# Altium PCB Evaluation Board.PcbDoc (part 17 of 22) (continued)
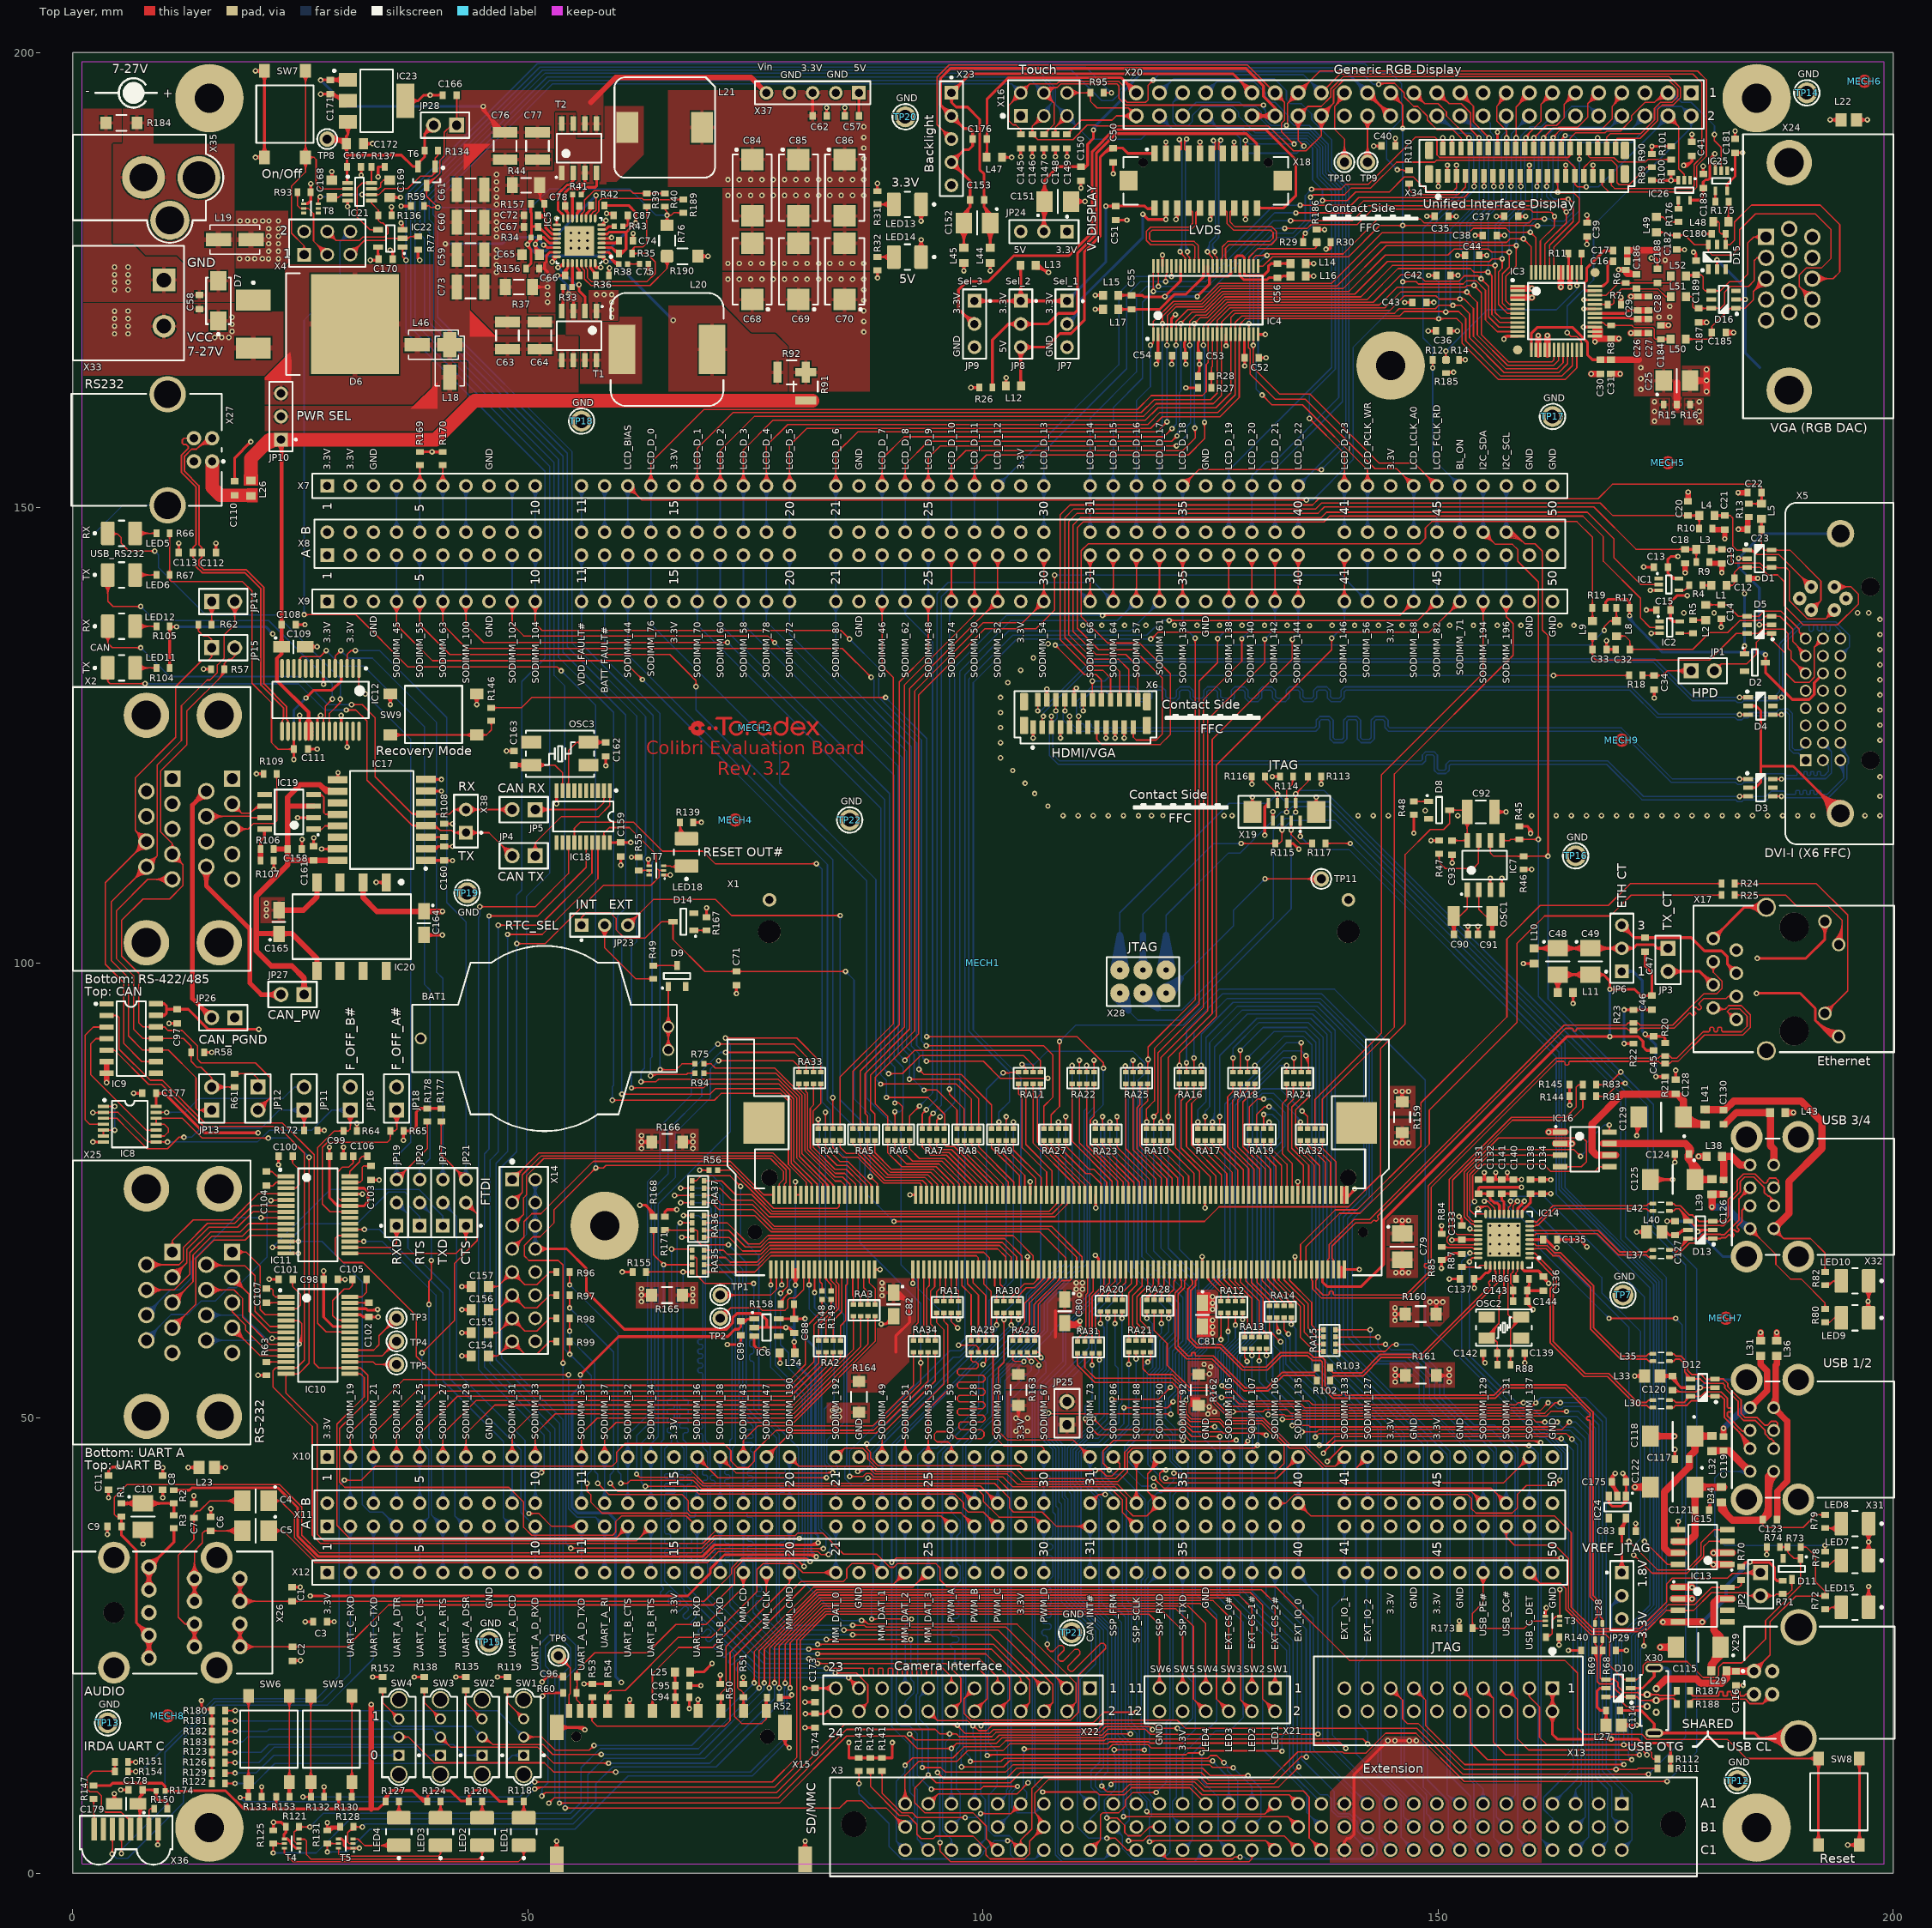
[diagram p0: Top Layer view]
## Nets (pads, with @x,y where several pads share a name; then routed paths per layer and width w, separated by ;. In a path a pad name is that pad's centre, name@x,y a point inside that pad or via, vN(x,y) a via of type N, cw(c..) or ccw(c..) an arc to the next point about the centre after c; other vN are vias at no path point) (continued)
SODIMM_100: RA11.7 X8.A7 X9.7 | length 131.8
  Top Layer w0.15: X9.7@42.703,139.223 cw(c41.55,138.07) 43.18,138.07 cw(c44.81,138.07) X9.7@43.657,139.223 ; X9.7@42.809,139.329 cw(c41.913,138.433) 43.18,138.433 cw(c44.447,138.433) X9.7@43.551,139.329 ; X9.7@42.915,139.435 cw(c42.275,138.795) 43.18,138.795 cw(c44.085,138.795) X9.7@43.445,139.435 ; X9.7@43.18,139.7 43.18,137.145 45.125,135.2 v1(71.925,135.2) ; v1@71.766,135.041 ccw(c71.382,134.657) 71.382,135.2 ccw(c71.382,135.743) v1@71.766,135.359 ; v1(89.625,87.825) 91.125,87.825 93.1,89.8 104.45,89.8 105.486,88.764 RA11.7@105.486,87.99 ; v1@89.784,87.666 cw(c90.168,87.282) 90.168,87.825 cw(c90.168,88.368) v1@89.784,87.984 ; RA11.7@105.362,88.114 ccw(c105.064,88.413) 105.486,88.413 ccw(c105.908,88.413) RA11.7@105.61,88.114
  Bottom Layer w0.15: X9.7@42.703,140.177 ccw(c41.55,141.33) 43.18,141.33 ccw(c44.81,141.33) X9.7@43.657,140.177 ; X8.A7@42.703,144.303 cw(c41.55,143.15) 43.18,143.15 cw(c44.81,143.15) X8.A7@43.657,144.303 ; X9.7@42.809,140.071 ccw(c41.913,140.967) 43.18,140.967 ccw(c44.447,140.967) X9.7@43.551,140.071 ; X8.A7@42.809,144.409 cw(c41.913,143.513) 43.18,143.513 cw(c44.447,143.513) X8.A7@43.551,144.409 ; X9.7@42.915,139.965 ccw(c42.275,140.605) 43.18,140.605 ccw(c44.085,140.605) X9.7@43.445,139.965 ; X8.A7@42.915,144.515 cw(c42.275,143.875) 43.18,143.875 cw(c44.085,143.875) X8.A7@43.445,144.515 ; X9.7@43.18,139.7 X8.A7@43.18,144.78 ; v1@71.925,134.975 cw(c71.925,134.432) 72.309,134.816 cw(c72.693,135.2) v1@72.15,135.2 ; v1(71.925,135.2) 89.2,117.925 89.2,88.25 v1(89.625,87.825) ; v1@89.4,87.825 ccw(c88.857,87.825) 89.241,88.209 ccw(c89.625,88.593) v1@89.625,88.05
SODIMM_100_S: RA11.3 X1.100 | length 15.1
  Top Layer w0.15: RA11.3@105.362,86.566 cw(c105.064,86.268) 105.486,86.268 cw(c105.908,86.268) RA11.3@105.61,86.566 ; RA11.3@105.486,86.69 105.486,80.213 109.982,75.717 X1.100@109.982,74.516 ; X1.100@109.911,75.412 ccw(c109.741,75.583) 109.982,75.583 ccw(c110.223,75.583) X1.100@110.053,75.412
SODIMM_101_S: RA37.1 X1.101 | length 45.8
  Top Layer w0.15: RA37.1@69.342,73.66 70.225,73.66 70.984,72.901 74.749,72.901 76.881,70.769 107.181,70.769 110.282,67.668 X1.101@110.282,66.316 ; RA37.1@69.466,73.536 cw(c69.764,73.238) 69.764,73.66 cw(c69.764,74.082) RA37.1@69.466,73.784 ; X1.101@110.211,67.212 ccw(c110.041,67.383) 110.282,67.383 ccw(c110.523,67.383) X1.101@110.353,67.212
SODIMM_102: RA11.8 X8.A9 X9.9 | length 128.1
  Top Layer w0.15: X9.9@47.783,139.223 cw(c46.63,138.07) 48.26,138.07 cw(c49.89,138.07) X9.9@48.737,139.223 ; X9.9@47.889,139.329 cw(c46.993,138.433) 48.26,138.433 cw(c49.527,138.433) X9.9@48.631,139.329 ; X9.9@47.995,139.435 cw(c47.355,138.795) 48.26,138.795 cw(c49.165,138.795) X9.9@48.525,139.435 ; X9.9@48.26,139.7 48.26,137.19 49.525,135.925 76.35,135.925 v1(77.1,135.175) ; v1@76.875,135.175 ccw(c76.332,135.175) 76.716,135.559 ccw(c77.1,135.943) v1@77.1,135.4 ; v1(91.4,89.3) 92.475,90.375 105.217,90.375 106.286,89.306 RA11.8@106.286,87.99 ; v1@91.4,89.525 ccw(c91.4,90.068) 91.784,89.684 ccw(c92.168,89.3) v1@91.625,89.3 ; RA11.8@106.162,88.114 ccw(c105.864,88.413) 106.286,88.413 ccw(c106.708,88.413) RA11.8@106.41,88.114
  Bottom Layer w0.15: X9.9@47.783,140.177 ccw(c46.63,141.33) 48.26,141.33 ccw(c49.89,141.33) X9.9@48.737,140.177 ; X8.A9@47.783,144.303 cw(c46.63,143.15) 48.26,143.15 cw(c49.89,143.15) X8.A9@48.737,144.303 ; X9.9@47.889,140.071 ccw(c46.993,140.967) 48.26,140.967 ccw(c49.527,140.967) X9.9@48.631,140.071 ; X8.A9@47.889,144.409 cw(c46.993,143.513) 48.26,143.513 cw(c49.527,143.513) X8.A9@48.631,144.409 ; X9.9@47.995,139.965 ccw(c47.355,140.605) 48.26,140.605 ccw(c49.165,140.605) X9.9@48.525,139.965 ; X8.A9@47.995,144.515 cw(c47.355,143.875) 48.26,143.875 cw(c49.165,143.875) X8.A9@48.525,144.515 ; X9.9@48.26,139.7 X8.A9@48.26,144.78 ; v1@77.1,134.95 cw(c77.1,134.411) 77.481,134.792 ; v1(77.1,135.175) 77.1,135.173 90.675,121.598 90.675,90.025 v1(91.4,89.3) ; v1@77.325,135.175 ccw(c77.872,135.175) 77.485,134.788 ; v1@91.175,89.3 ccw(c90.632,89.3) 91.016,89.684 ccw(c91.4,90.068) v1@91.4,89.525
SODIMM_102_S: RA11.4 X1.102 | length 15.3
  Top Layer w0.15: RA11.4@106.162,86.566 cw(c105.864,86.268) 106.286,86.268 cw(c106.708,86.268) RA11.4@106.41,86.566 ; RA11.4@106.286,86.69 106.286,85.534 105.969,85.217 105.969,80.315 110.582,75.702 X1.102@110.582,74.516 ; X1.102@110.511,75.412 ccw(c110.341,75.583) 110.582,75.583 ccw(c110.823,75.583) X1.102@110.653,75.412
SODIMM_103_S: RA37.2 X1.103 | length 46.8
  Top Layer w0.15: RA37.2@69.342,74.46 70.275,74.46 71.26,73.475 74.625,73.475 77.031,71.069 107.531,71.069 110.882,67.718 X1.103@110.882,66.316 ; RA37.2@69.466,74.336 cw(c69.764,74.038) 69.764,74.46 cw(c69.764,74.882) RA37.2@69.466,74.584 ; X1.103@110.811,67.212 ccw(c110.641,67.383) 110.882,67.383 ccw(c111.123,67.383) X1.103@110.953,67.212
SODIMM_104: RA27.5 X8.A10 X9.10 | length 135.7
  Top Layer w0.15: X9.10@50.323,139.223 cw(c49.17,138.07) 50.8,138.07 cw(c52.43,138.07) X9.10@51.277,139.223 ; X9.10@50.429,139.329 cw(c49.533,138.433) 50.8,138.433 cw(c52.067,138.433) X9.10@51.171,139.329 ; X9.10@50.535,139.435 cw(c49.895,138.795) 50.8,138.795 cw(c51.705,138.795) X9.10@51.065,139.435 ; X9.10@50.8,139.7 50.8,137.25 51.525,136.525 84.375,136.525 v1(85.325,135.575) ; v1@85.1,135.575 ccw(c84.557,135.575) 84.941,135.959 ccw(c85.325,136.343) v1@85.325,135.8 ; v1(93.75,90.9) 106.65,90.9 107.65,89.9 107.65,85.225 106.68,84.255 RA27.5@106.68,81.793 ; v1@93.909,90.741 cw(c94.293,90.357) 94.293,90.9 cw(c94.293,91.443) v1@93.909,91.059 ; RA27.5@106.556,81.916 ccw(c106.258,82.215) 106.68,82.215 ccw(c107.102,82.215) RA27.5@106.804,81.916
  Bottom Layer w0.15: X9.10@50.323,140.177 ccw(c49.17,141.33) 50.8,141.33 ccw(c52.43,141.33) X9.10@51.277,140.177 ; X8.A10@50.323,144.303 cw(c49.17,143.15) 50.8,143.15 cw(c52.43,143.15) X8.A10@51.277,144.303 ; X9.10@50.429,140.071 ccw(c49.533,140.967) 50.8,140.967 ccw(c52.067,140.967) X9.10@51.171,140.071 ; X8.A10@50.429,144.409 cw(c49.533,143.513) 50.8,143.513 cw(c52.067,143.513) X8.A10@51.171,144.409 ; X9.10@50.535,139.965 ccw(c49.895,140.605) 50.8,140.605 ccw(c51.705,140.605) X9.10@51.065,139.965 ; X8.A10@50.535,144.515 cw(c49.895,143.875) 50.8,143.875 cw(c51.705,143.875) X8.A10@51.065,144.515 ; X9.10@50.8,139.7 X8.A10@50.8,144.78 ; v1@85.325,135.35 cw(c85.325,134.807) 85.709,135.191 cw(c86.093,135.575) v1@85.55,135.575 ; v1(85.325,135.575) 88.55,132.35 88.55,129.158 93.225,124.483 93.225,91.425 v1(93.75,90.9) ; v1@93.525,90.9 ccw(c92.982,90.9) 93.366,91.284 ccw(c93.75,91.668) v1@93.75,91.125
SODIMM_104_S: RA27.1 X1.104 | length 8.8
  Top Layer w0.15: RA27.1@106.566,80.36 cw(c106.353,80.112) 106.68,80.112 ; RA27.1@106.68,80.493 106.68,80.112 ; RA27.1@106.794,80.36 ccw(c107.007,80.112) 106.68,80.112 ; X1.104@111.111,75.412 ccw(c110.941,75.583) 111.182,75.583 ccw(c111.423,75.583) X1.104@111.253,75.412 ; X1.104@111.182,74.516 111.182,75.61 106.68,80.112
SODIMM_105: RA31.8 X10.37 X11.B37 | length 51
  Top Layer w0.15: RA31.8@110.202,56.996 cw(c109.846,56.64) 110.35,56.64 ; 110.35,56.755 cw(c110.691,56.755) RA31.8@110.45,56.996 ; RA31.8@110.376,57.12 110.35,57.094 110.35,55.83 112.289,53.89 120.791,53.89 121.099,53.583 121.099,53.578 121.425,53.252 121.425,50.501 122.876,49.05 v1(125.45,49.05) ; v1@125.291,48.891 ccw(c124.907,48.507) 124.907,49.05 ccw(c124.907,49.593) v1@125.291,49.209
  Bottom Layer w0.15: v1@125.45,48.825 cw(c125.45,47.782) 126.188,48.519 ; v1@125.45,48.975 cw(c125.45,48.294) 125.932,48.776 ; v1(125.45,49.05) 125.45,49.148 125.482,49.18 125.527,49.18 127,47.707 X10.37@127,45.72 X11.B37@127,40.64 ; X11.B37@126.523,41.117 ccw(c125.37,42.27) 127,42.27 ccw(c128.63,42.27) X11.B37@127.477,41.117 ; X10.37@126.523,45.243 cw(c125.37,44.09) 127,44.09 cw(c128.63,44.09) X10.37@127.477,45.243 ; X10.37@126.523,46.197 ccw(c125.37,47.35) 127,47.35 ccw(c128.63,47.35) X10.37@127.477,46.197 ; X11.B37@126.629,41.011 ccw(c125.733,41.907) 127,41.907 ccw(c128.267,41.907) X11.B37@127.371,41.011 ; X10.37@126.629,45.349 cw(c125.733,44.453) 127,44.453 cw(c128.267,44.453) X10.37@127.371,45.349 ; X10.37@126.629,46.091 ccw(c125.733,46.987) 127,46.987 ccw(c128.267,46.987) X10.37@127.371,46.091 ; X11.B37@126.735,40.905 ccw(c126.095,41.545) 127,41.545 ccw(c127.905,41.545) X11.B37@127.265,40.905 ; X10.37@126.735,45.455 cw(c126.095,44.815) 127,44.815 cw(c127.905,44.815) X10.37@127.265,45.455 ; X10.37@126.735,45.985 ccw(c126.095,46.625) 127,46.625 ccw(c127.905,46.625) X10.37@127.265,45.985
SODIMM_105_S: RA31.4 X1.105 | length 9.2
  Top Layer w0.15: RA31.4@110.277,58.565 ccw(c110.151,58.751) 110.376,58.751 ; RA31.4@110.376,58.42 110.376,58.751 ; RA31.4@110.475,58.565 cw(c110.602,58.751) 110.376,58.751 ; X1.105@111.411,65.421 cw(c111.241,65.25) 111.482,65.25 cw(c111.723,65.25) X1.105@111.553,65.421 ; X1.105@111.482,66.316 111.482,63.724 111.283,63.525 111.283,59.658 110.376,58.751
SODIMM_106: RA27.6 X10.39 X11.B39 | length 166.4
  Top Layer w0.15: RA27.6@107.356,81.916 ccw(c107.058,82.215) 107.48,82.215 ccw(c107.902,82.215) RA27.6@107.604,81.916 ; RA27.6@107.48,81.793 107.48,83.305 108.4,84.225 v1(108.4,91.375) ; v1@108.241,91.216 cw(c107.857,90.832) 108.4,90.832 cw(c108.943,90.832) v1@108.559,91.216 ; X11.B39@132.08,40.64 133.241,40.64 ; X11.B39@132.536,40.38 cw(c132.983,40.126) 132.983,40.64 cw(c132.983,41.154) X11.B39@132.536,40.9 ; X11.B39@132.667,40.306 cw(c133.241,39.979) 133.241,40.64 ; X11.B39@132.667,40.974 ccw(c133.241,41.301) 133.241,40.64 ; v1@163.15,43.175 cw(c162.607,43.175) 162.991,42.791 cw(c163.375,42.407) v1@163.375,42.95 ; v1(163.375,43.175) 162.8,42.6 159.7,42.6 158.725,41.625 158.725,40.15 158.125,39.55 154.15,39.55 153.65,40.05 153.65,41.168 153.203,41.615 134.216,41.615 133.241,40.64
  Bottom Layer w0.15: v1(108.4,91.375) 110.197,93.172 121.997,93.172 125.925,97.1 138.612,97.1 148.575,87.137 148.575,60.425 161.125,47.875 161.784,47.875 163.535,46.124 163.535,43.876 163.362,43.703 ; v1@108.4,91.6 ccw(c108.4,92.143) 108.784,91.759 ccw(c109.168,91.375) v1@108.625,91.375 ; X11.B39@131.603,41.117 ccw(c130.45,42.27) 132.08,42.27 ccw(c133.71,42.27) X11.B39@132.557,41.117 ; X10.39@131.603,45.243 cw(c130.45,44.09) 132.08,44.09 cw(c133.71,44.09) X10.39@132.557,45.243 ; X11.B39@131.709,41.011 ccw(c130.813,41.907) 132.08,41.907 ccw(c133.347,41.907) X11.B39@132.451,41.011 ; X10.39@131.709,45.349 cw(c130.813,44.453) 132.08,44.453 cw(c133.347,44.453) X10.39@132.451,45.349 ; X11.B39@131.815,40.905 ccw(c131.175,41.545) 132.08,41.545 ccw(c132.985,41.545) X11.B39@132.345,40.905 ; X10.39@131.815,45.455 cw(c131.175,44.815) 132.08,44.815 cw(c132.985,44.815) X10.39@132.345,45.455 ; X11.B39@132.08,40.64 X10.39@132.08,45.72 ; v1@163.216,43.334 ccw(c162.862,43.688) 163.362,43.688 ; v1(163.375,43.175) 163.362,43.188 163.362,43.703 ; v1@163.524,43.343 cw(c163.843,43.703) 163.362,43.703
SODIMM_106_S: RA27.2 X1.106 | length 8.8
  Top Layer w0.15: RA27.2@107.356,80.369 cw(c107.058,80.07) 107.48,80.07 cw(c107.902,80.07) RA27.2@107.604,80.369 ; RA27.2@107.48,80.493 107.48,79.947 111.782,75.645 X1.106@111.782,74.516 ; X1.106@111.711,75.412 ccw(c111.541,75.583) 111.782,75.583 ccw(c112.023,75.583) X1.106@111.853,75.412
SODIMM_107: RA31.7 X10.38 X11.B38 | length 47.5
  Top Layer w0.15: RA31.7@111.052,56.996 cw(c110.754,56.697) 111.176,56.697 cw(c111.598,56.697) RA31.7@111.3,56.996 ; RA31.7@111.176,57.12 111.176,55.524 112.325,54.375 120.8,54.375 121.725,53.45 121.725,50.626 122.751,49.6 125.894,49.6 126.625,48.87 v1(129.718,48.87) ; v1@129.559,48.711 ccw(c129.175,48.326) 129.175,48.87 ccw(c129.175,49.413) v1@129.559,49.029
  Bottom Layer w0.15: X11.B38@129.063,41.117 ccw(c127.91,42.27) 129.54,42.27 ccw(c131.17,42.27) X11.B38@130.017,41.117 ; X10.38@129.063,45.243 cw(c127.91,44.09) 129.54,44.09 cw(c131.17,44.09) X10.38@130.017,45.243 ; X11.B38@129.169,41.011 ccw(c128.273,41.907) 129.54,41.907 ccw(c130.807,41.907) X11.B38@129.911,41.011 ; X10.38@129.169,45.349 cw(c128.273,44.453) 129.54,44.453 cw(c130.807,44.453) X10.38@129.911,45.349 ; X11.B38@129.275,40.905 ccw(c128.635,41.545) 129.54,41.545 ccw(c130.445,41.545) X11.B38@129.805,40.905 ; X10.38@129.275,45.455 cw(c128.635,44.815) 129.54,44.815 cw(c130.445,44.815) X10.38@129.805,45.455 ; X11.B38@129.54,40.64 X10.38@129.54,45.72 129.608,45.788 129.608,48.76 v1(129.718,48.87) ; 129.608,48.061 cw(c130.527,48.061) v1@129.877,48.711 ; 129.608,48.423 cw(c130.164,48.423) v1@129.771,48.817
SODIMM_107_S: RA31.3 X1.107 | length 9.3
  Top Layer w0.15: RA31.3@111.052,58.544 ccw(c110.754,58.842) 111.176,58.842 ccw(c111.598,58.842) RA31.3@111.3,58.544 ; RA31.3@111.176,58.42 111.176,58.901 111.675,59.4 111.675,63.493 112.082,63.9 X1.107@112.082,66.316 ; X1.107@112.011,65.421 cw(c111.841,65.25) 112.082,65.25 cw(c112.323,65.25) X1.107@112.153,65.421
SODIMM_110_S: RA27.3 X1.110 | length 9.3
  Top Layer w0.15: RA27.3@108.156,80.369 cw(c107.858,80.07) 108.28,80.07 cw(c108.702,80.07) RA27.3@108.404,80.369 ; RA27.3@108.28,80.493 108.28,79.858 111.288,76.85 111.847,76.85 112.982,75.715 X1.110@112.982,74.516 ; X1.110@112.911,75.412 ccw(c112.741,75.583) 112.982,75.583 ccw(c113.223,75.583) X1.110@113.053,75.412
SODIMM_111_S: RA31.2 X1.111 | length 9.5
  Top Layer w0.15: RA31.2@111.852,58.544 ccw(c111.554,58.842) 111.976,58.842 ccw(c112.398,58.842) RA31.2@112.1,58.544 ; RA31.2@111.976,58.42 111.976,63.37 113.282,64.676 X1.111@113.282,66.316 ; X1.111@113.211,65.421 cw(c113.041,65.25) 113.282,65.25 cw(c113.523,65.25) X1.111@113.353,65.421
SODIMM_112_S: RA27.4 X1.112 | length 9.2
  Top Layer w0.15: RA27.4@108.956,80.369 cw(c108.658,80.07) 109.08,80.07 cw(c109.502,80.07) RA27.4@109.204,80.369 ; RA27.4@109.08,80.493 109.08,79.896 111.658,77.318 112.166,77.318 113.582,75.902 X1.112@113.582,74.516 ; X1.112@113.511,75.412 ccw(c113.341,75.583) 113.582,75.583 ccw(c113.823,75.583) X1.112@113.653,75.412
SODIMM_113_S: RA31.1 X1.113 | length 9.8
  Top Layer w0.15: RA31.1@112.652,58.544 ccw(c112.354,58.842) 112.776,58.842 ccw(c113.198,58.842) RA31.1@112.9,58.544 ; RA31.1@112.776,58.42 112.776,59.512 112.319,59.969 112.319,63.288 113.882,64.852 X1.113@113.882,66.316 ; X1.113@113.811,65.421 cw(c113.641,65.25) 113.882,65.25 cw(c114.123,65.25) X1.113@113.953,65.421
SODIMM_114_S: RA22.1 X1.114 | length 15
  Top Layer w0.15: RA22.1@109.655,86.566 cw(c109.356,86.268) 109.779,86.268 cw(c110.201,86.268) RA22.1@109.903,86.566 ; RA22.1@109.779,86.69 109.779,80.416 114.182,76.013 X1.114@114.182,74.516 ; X1.114@114.111,75.412 ccw(c113.941,75.583) 114.182,75.583 ccw(c114.423,75.583) X1.114@114.253,75.412
SODIMM_115_S: RA20.4 X1.115 | length 5
  Top Layer w0.15: RA20.4@112.768,63.116 ccw(c112.476,63.411) 112.891,63.411 ; RA20.4@112.891,62.992 112.891,63.411 ; RA20.4@113.014,63.116 cw(c113.306,63.411) 112.891,63.411 ; X1.115@114.411,65.421 cw(c114.241,65.25) 114.482,65.25 cw(c114.723,65.25) X1.115@114.553,65.421 ; X1.115@114.482,66.316 114.482,65.003 112.891,63.411
SODIMM_116_S: RA22.2 X1.116 | length 15
  Top Layer w0.15: RA22.2@110.455,86.566 cw(c110.156,86.268) 110.579,86.268 cw(c111.001,86.268) RA22.2@110.703,86.566 ; RA22.2@110.579,86.69 110.579,80.226 114.782,76.023 X1.116@114.782,74.516 ; X1.116@114.711,75.412 ccw(c114.541,75.583) 114.782,75.583 ccw(c115.023,75.583) X1.116@114.853,75.412
SODIMM_117_S: RA20.3 X1.117 | length 4.9
  Top Layer w0.15: RA20.3@113.567,63.116 ccw(c113.268,63.414) 113.691,63.414 ccw(c114.113,63.414) RA20.3@113.814,63.116 ; RA20.3@113.691,62.992 113.691,63.602 115.082,64.993 X1.117@115.082,66.316 ; X1.117@115.011,65.421 cw(c114.841,65.25) 115.082,65.25 cw(c115.323,65.25) X1.117@115.153,65.421
SODIMM_118_S: RA22.3 X1.118 | length 14.9
  Top Layer w0.15: RA22.3@111.255,86.566 cw(c110.956,86.268) 111.379,86.268 cw(c111.801,86.268) RA22.3@111.503,86.566 ; RA22.3@111.379,86.69 111.379,79.971 115.382,75.968 X1.118@115.382,74.516 ; X1.118@115.311,75.412 ccw(c115.141,75.583) 115.382,75.583 ccw(c115.623,75.583) X1.118@115.453,75.412
SODIMM_119_S: RA20.2 X1.119 | length 4.9
  Top Layer w0.15: RA20.2@114.367,63.116 ccw(c114.068,63.414) 114.491,63.414 ccw(c114.913,63.414) RA20.2@114.614,63.116 ; RA20.2@114.491,62.992 114.491,63.716 115.682,64.907 X1.119@115.682,66.316 ; X1.119@115.611,65.421 cw(c115.441,65.25) 115.682,65.25 cw(c115.923,65.25) X1.119@115.753,65.421
SODIMM_120_S: RA22.4 X1.120 | length 15.1
  Top Layer w0.15: RA22.4@112.055,86.566 cw(c111.756,86.268) 112.179,86.268 cw(c112.601,86.268) RA22.4@112.303,86.566 ; RA22.4@112.179,86.69 112.179,83.127 111.794,82.742 111.794,80.06 115.982,75.872 X1.120@115.982,74.516 ; X1.120@115.911,75.412 ccw(c115.741,75.583) 115.982,75.583 ccw(c116.223,75.583) X1.120@116.053,75.412
SODIMM_121_S: RA20.1 X1.121 | length 4.8
  Top Layer w0.15: RA20.1@115.167,63.116 ccw(c114.868,63.414) 115.291,63.414 ccw(c115.713,63.414) RA20.1@115.414,63.116 ; RA20.1@115.291,62.992 115.291,63.779 116.282,64.771 X1.121@116.282,66.316 ; X1.121@116.211,65.421 cw(c116.041,65.25) 116.282,65.25 cw(c116.523,65.25) X1.121@116.353,65.421
SODIMM_122_S: RA23.1 X1.122 | length 8.6
  Top Layer w0.15: RA23.1@112.21,80.355 cw(c112.033,80.131) 112.319,80.131 ; RA23.1@112.319,80.493 112.319,80.131 ; RA23.1@112.427,80.355 ccw(c112.604,80.131) 112.319,80.131 ; X1.122@116.511,75.412 ccw(c116.341,75.583) 116.582,75.583 ccw(c116.823,75.583) X1.122@116.653,75.412 ; X1.122@116.582,74.516 116.582,75.868 112.319,80.131
SODIMM_123_S: RA21.4 X1.123 | length 9.2
  Top Layer w0.15: RA21.4@115.891,58.645 ccw(c115.624,58.913) 116.002,58.913 ; 116.002,58.975 ccw(c116.469,58.975) RA21.4@116.139,58.645 ; RA21.4@116.015,58.522 116.002,58.535 116.002,63.754 116.882,64.634 X1.123@116.882,66.316 ; X1.123@116.811,65.421 cw(c116.641,65.25) 116.882,65.25 cw(c117.123,65.25) X1.123@116.953,65.421
SODIMM_124_S: RA23.2 X1.124 | length 8.7
  Top Layer w0.15: RA23.2@112.995,80.369 cw(c112.696,80.07) 113.119,80.07 cw(c113.541,80.07) RA23.2@113.243,80.369 ; RA23.2@113.119,80.493 113.119,79.972 117.182,75.909 X1.124@117.182,74.516 ; X1.124@117.111,75.412 ccw(c116.941,75.583) 117.182,75.583 ccw(c117.423,75.583) X1.124@117.253,75.412
SODIMM_125_S: RA21.3 X1.125 | length 9.4
  Top Layer w0.15: RA21.3@116.691,58.645 ccw(c116.392,58.944) 116.815,58.944 ccw(c117.237,58.944) RA21.3@116.939,58.645 ; RA21.3@116.815,58.522 116.815,59.76 116.425,60.15 116.425,63.441 117.482,64.498 X1.125@117.482,66.316 ; X1.125@117.411,65.421 cw(c117.241,65.25) 117.482,65.25 cw(c117.723,65.25) X1.125@117.553,65.421
SODIMM_126_S: RA23.3 X1.126 | length 8.6
  Top Layer w0.15: RA23.3@113.795,80.369 cw(c113.496,80.07) 113.919,80.07 cw(c114.341,80.07) RA23.3@114.043,80.369 ; RA23.3@113.919,80.493 113.919,79.891 117.782,76.028 X1.126@117.782,74.516 ; X1.126@117.711,75.412 ccw(c117.541,75.583) 117.782,75.583 ccw(c118.023,75.583) X1.126@117.853,75.412
SODIMM_127: RA21.6 X10.42 X11.B42 | length 55.7
  Top Layer w0.15: RA21.6@117.441,57.098 cw(c117.118,56.774) 117.575,56.774 ; 117.575,56.824 cw(c117.963,56.824) RA21.6@117.689,57.098 ; RA21.6@117.615,57.222 117.575,57.182 117.575,55.4 118.2,54.775 120.825,54.775 122.575,53.025 124.75,53.025 125.375,52.4 125.375,51.614 127.294,49.695 130.695,49.695 131.94,48.449 131.94,48.436 133.681,46.695 135.169,46.695 137.452,44.412 140.932,44.412 X10.42@142.24,45.72 ; X10.42@141.565,45.72 cw(c139.935,45.72) 141.088,44.568 cw(c142.24,43.415) X10.42@142.24,45.045 ; X10.42@141.715,45.72 cw(c140.448,45.72) 141.344,44.824 cw(c142.24,43.928) X10.42@142.24,45.195 ; X10.42@141.865,45.72 cw(c140.96,45.72) 141.6,45.08 cw(c142.24,44.44) X10.42@142.24,45.345
  Bottom Layer w0.15: X11.B42@141.763,41.117 ccw(c140.61,42.27) 142.24,42.27 ccw(c143.87,42.27) X11.B42@142.717,41.117 ; X10.42@141.763,45.243 cw(c140.61,44.09) 142.24,44.09 cw(c143.87,44.09) X10.42@142.717,45.243 ; X11.B42@141.869,41.011 ccw(c140.973,41.907) 142.24,41.907 ccw(c143.507,41.907) X11.B42@142.611,41.011 ; X10.42@141.869,45.349 cw(c140.973,44.453) 142.24,44.453 cw(c143.507,44.453) X10.42@142.611,45.349 ; X11.B42@141.975,40.905 ccw(c141.335,41.545) 142.24,41.545 ccw(c143.145,41.545) X11.B42@142.505,40.905 ; X10.42@141.975,45.455 cw(c141.335,44.815) 142.24,44.815 cw(c143.145,44.815) X10.42@142.505,45.455 ; X11.B42@142.24,40.64 X10.42@142.24,45.72
SODIMM_127_S: RA21.2 X1.127 | length 9.6
  Top Layer w0.15: RA21.2@117.491,58.645 ccw(c117.192,58.944) 117.615,58.944 ccw(c118.037,58.944) RA21.2@117.739,58.645 ; RA21.2@117.615,58.522 117.615,59.685 116.9,60.4 116.9,63.331 118.082,64.513 X1.127@118.082,66.316 ; X1.127@118.011,65.421 cw(c117.841,65.25) 118.082,65.25 cw(c118.323,65.25) X1.127@118.153,65.421
SODIMM_128_S: RA23.4 X1.128 | length 8.5
  Top Layer w0.15: RA23.4@114.595,80.369 cw(c114.296,80.07) 114.719,80.07 cw(c115.141,80.07) RA23.4@114.843,80.369 ; RA23.4@114.719,80.493 114.719,79.781 118.382,76.118 X1.128@118.382,74.516 ; X1.128@118.311,75.412 ccw(c118.141,75.583) 118.382,75.583 ccw(c118.623,75.583) X1.128@118.453,75.412
SODIMM_129: RA21.5 X10.47 X11.B47 | length 81.9
  Top Layer w0.15: v1(118.1,56.15) 118.1,56.175 118.415,56.49 ; v1@118.113,56.375 ccw(c118.136,56.769) 118.415,56.49 ; RA21.5@118.291,57.098 cw(c117.992,56.799) 118.415,56.799 cw(c118.837,56.799) RA21.5@118.539,57.098 ; v1@118.321,56.19 cw(c118.654,56.251) 118.415,56.49 ; RA21.5@118.415,57.222 118.415,56.49 ; v1@118.745,42.32 cw(c118.745,41.715) 119.172,42.143 ; v1(118.745,42.545) 118.77,42.545 119.4,41.915 153.665,41.915 X11.B47@154.94,40.64 ; v1@118.97,42.545 ccw(c119.452,42.545) 119.111,42.204 ; X11.B47@154.265,40.64 ccw(c152.635,40.64) 153.788,41.792 ccw(c154.94,42.945) X11.B47@154.94,41.315 ; X11.B47@154.415,40.64 ccw(c153.148,40.64) 154.044,41.536 ccw(c154.94,42.432) X11.B47@154.94,41.165 ; X11.B47@154.565,40.64 ccw(c153.66,40.64) 154.3,41.28 ccw(c154.94,41.92) X11.B47@154.94,41.015
  Bottom Layer w0.15: 117.674,55.748 cw(c118.1,55.322) v1@118.1,55.925 ; 117.733,55.808 ccw(c117.392,56.15) v1@117.875,56.15 ; v1(118.1,56.15) 118.075,56.15 117.615,55.69 117.615,49.015 115.565,46.965 115.565,44.363 117.409,42.52 118.72,42.52 v1(118.745,42.545) ; 118.14,42.52 ccw(c118.14,43.15) v1@118.586,42.704 ; 118.263,42.52 cw(c118.263,42.063) v1@118.586,42.386 ; X11.B47@154.463,41.117 ccw(c153.31,42.27) 154.94,42.27 ccw(c156.57,42.27) X11.B47@155.417,41.117 ; X10.47@154.463,45.243 cw(c153.31,44.09) 154.94,44.09 cw(c156.57,44.09) X10.47@155.417,45.243 ; X11.B47@154.569,41.011 ccw(c153.673,41.907) 154.94,41.907 ccw(c156.207,41.907) X11.B47@155.311,41.011 ; X10.47@154.569,45.349 cw(c153.673,44.453) 154.94,44.453 cw(c156.207,44.453) X10.47@155.311,45.349 ; X11.B47@154.675,40.905 ccw(c154.035,41.545) 154.94,41.545 ccw(c155.845,41.545) X11.B47@155.205,40.905 ; X10.47@154.675,45.455 cw(c154.035,44.815) 154.94,44.815 cw(c155.845,44.815) X10.47@155.205,45.455 ; X11.B47@154.94,40.64 X10.47@154.94,45.72
SODIMM_129_S: RA21.1 X1.129 | length 9.9
  Top Layer w0.15: RA21.1@118.291,58.645 ccw(c117.992,58.944) 118.415,58.944 ccw(c118.837,58.944) RA21.1@118.539,58.645 ; RA21.1@118.415,58.522 118.415,59.563 117.297,60.681 117.297,63.161 118.682,64.546 X1.129@118.682,66.316 ; X1.129@118.611,65.421 cw(c118.441,65.25) 118.682,65.25 cw(c118.923,65.25) X1.129@118.753,65.421
SODIMM_130_S: RA25.1 X1.130 | length 14.6
  Top Layer w0.15: RA25.1@115.548,86.566 cw(c115.249,86.268) 115.672,86.268 cw(c116.094,86.268) RA25.1@115.795,86.566 ; RA25.1@115.672,86.69 115.672,79.578 118.982,76.268 X1.130@118.982,74.516 ; X1.130@118.911,75.412 ccw(c118.741,75.583) 118.982,75.583 ccw(c119.223,75.583) X1.130@119.053,75.412
SODIMM_131: RA28.8 X10.48 X11.B48 | length 87.7
  Top Layer w0.15: RA28.8@117.872,61.568 cw(c117.574,61.269) 117.996,61.269 cw(c118.418,61.269) RA28.8@118.12,61.568 ; v1(117.996,60.96) RA28.8@117.996,61.692 ; v1@118.75,43.175 cw(c118.75,42.632) 119.134,43.016 cw(c119.518,43.4) v1@118.975,43.4 ; v1(118.75,43.4) 119.867,42.283 155.837,42.283 X11.B48@157.48,40.64 ; X11.B48@156.805,40.64 ccw(c155.175,40.64) 156.328,41.792 ccw(c157.48,42.945) X11.B48@157.48,41.315 ; X11.B48@156.955,40.64 ccw(c155.688,40.64) 156.584,41.536 ccw(c157.48,42.432) X11.B48@157.48,41.165 ; X11.B48@157.105,40.64 ccw(c156.2,40.64) 156.84,41.28 ccw(c157.48,41.92) X11.B48@157.48,41.015
  Bottom Layer w0.15: v1@117.996,60.735 cw(c117.996,60.192) 118.38,60.576 cw(c118.764,60.96) v1@118.221,60.96 ; v1(117.996,60.96) 118.625,60.331 118.625,55.57 118.017,54.962 118.017,48.842 115.865,46.69 115.865,45.316 117.781,43.4 v1(118.75,43.4) v1@118.75,43.505 ; v1@118.591,43.241 ccw(c118.207,42.857) 118.207,43.4 ccw(c118.207,43.943) v1@118.591,43.559 ; X11.B48@157.003,41.117 ccw(c155.85,42.27) 157.48,42.27 ccw(c159.11,42.27) X11.B48@157.957,41.117 ; X10.48@157.003,45.243 cw(c155.85,44.09) 157.48,44.09 cw(c159.11,44.09) X10.48@157.957,45.243 ; X11.B48@157.109,41.011 ccw(c156.213,41.907) 157.48,41.907 ccw(c158.747,41.907) X11.B48@157.851,41.011 ; X10.48@157.109,45.349 cw(c156.213,44.453) 157.48,44.453 cw(c158.747,44.453) X10.48@157.851,45.349 ; X11.B48@157.215,40.905 ccw(c156.575,41.545) 157.48,41.545 ccw(c158.385,41.545) X11.B48@157.745,40.905 ; X10.48@157.215,45.455 cw(c156.575,44.815) 157.48,44.815 cw(c158.385,44.815) X10.48@157.745,45.455 ; X11.B48@157.48,40.64 X10.48@157.48,45.72
SODIMM_131_S: RA28.4 X1.131 | length 6.7
  Top Layer w0.15: RA28.4@117.913,63.146 ccw(c117.839,63.284) 117.996,63.284 ; RA28.4@117.921,62.992 cw(c118.446,62.992) 118.075,63.363 ; RA28.4@117.996,62.992 117.996,63.284 ; RA28.4@118.071,62.992 cw(c118.958,62.992) 118.331,63.619 ; RA28.4@118.079,63.146 cw(c118.153,63.284) 117.996,63.284 ; RA28.4@118.221,62.992 cw(c119.47,62.992) 118.587,63.875 ; X1.131@119.211,65.421 cw(c119.041,65.25) 119.282,65.25 cw(c119.523,65.25) X1.131@119.353,65.421 ; X1.131@119.282,66.316 119.282,64.57 117.996,63.284
SODIMM_132_S: RA25.2 X1.132 | length 14.5
  Top Layer w0.15: RA25.2@116.348,86.566 cw(c116.049,86.268) 116.472,86.268 cw(c116.894,86.268) RA25.2@116.595,86.566 ; RA25.2@116.472,86.69 116.472,79.478 119.582,76.368 X1.132@119.582,74.516 ; X1.132@119.511,75.412 ccw(c119.341,75.583) 119.582,75.583 ccw(c119.823,75.583) X1.132@119.653,75.412
SODIMM_133: RA28.7 X10.41 X11.B41 | length 54
  Top Layer w0.15: RA28.7@118.672,61.568 cw(c118.374,61.269) 118.796,61.269 cw(c119.218,61.269) RA28.7@118.92,61.568 ; RA28.7@118.796,61.692 118.796,59.618 120.228,58.187 120.228,55.797 122.7,53.325 124.925,53.325 125.675,52.575 125.675,51.738 127.419,49.995 130.819,49.995 132.24,48.574 132.24,48.56 133.805,46.995 135.293,46.995 137.576,44.712 138.692,44.712 ; X10.41@139.028,45.653 cw(c137.868,45.537) 138.692,44.712 ; X10.41@139.178,45.668 cw(c138.275,45.578) 138.916,44.936 cw(c139.558,44.295) X10.41@139.648,45.198 ; X10.41@139.327,45.683 cw(c138.682,45.618) 139.14,45.16 cw(c139.598,44.702) X10.41@139.663,45.347 ; X10.41@139.633,45.048 ccw(c139.517,43.888) 138.692,44.712 ; X10.41@139.7,45.72 138.692,44.712
  Bottom Layer w0.15: X11.B41@139.223,41.117 ccw(c138.07,42.27) 139.7,42.27 ccw(c141.33,42.27) X11.B41@140.177,41.117 ; X10.41@139.223,45.243 cw(c138.07,44.09) 139.7,44.09 cw(c141.33,44.09) X10.41@140.177,45.243 ; X11.B41@139.329,41.011 ccw(c138.433,41.907) 139.7,41.907 ccw(c140.967,41.907) X11.B41@140.071,41.011 ; X10.41@139.329,45.349 cw(c138.433,44.453) 139.7,44.453 cw(c140.967,44.453) X10.41@140.071,45.349 ; X11.B41@139.435,40.905 ccw(c138.795,41.545) 139.7,41.545 ccw(c140.605,41.545) X11.B41@139.965,40.905 ; X10.41@139.435,45.455 cw(c138.795,44.815) 139.7,44.815 cw(c140.605,44.815) X10.41@139.965,45.455 ; X11.B41@139.7,40.64 X10.41@139.7,45.72
SODIMM_133_S: RA28.3 X1.133 | length 4.8
  Top Layer w0.15: RA28.3@118.672,63.116 ccw(c118.374,63.414) 118.796,63.414 ccw(c119.218,63.414) RA28.3@118.92,63.116 ; RA28.3@118.796,62.992 118.796,63.526 119.882,64.612 X1.133@119.882,66.316 ; X1.133@119.811,65.421 cw(c119.641,65.25) 119.882,65.25 cw(c120.123,65.25) X1.133@119.953,65.421
SODIMM_134_S: RA25.3 X1.134 | length 14.7
  Top Layer w0.15: RA25.3@117.148,86.566 cw(c116.898,86.317) 117.251,86.317 ; 117.251,86.218 cw(c117.743,86.218) RA25.3@117.395,86.566 ; RA25.3@117.272,86.69 117.251,86.67 117.251,84.452 116.921,84.122 116.921,79.554 120.182,76.293 X1.134@120.182,74.516 ; X1.134@120.111,75.412 ccw(c119.941,75.583) 120.182,75.583 ccw(c120.423,75.583) X1.134@120.253,75.412